# KiCad board MissionOrderFile.kicad_pcb
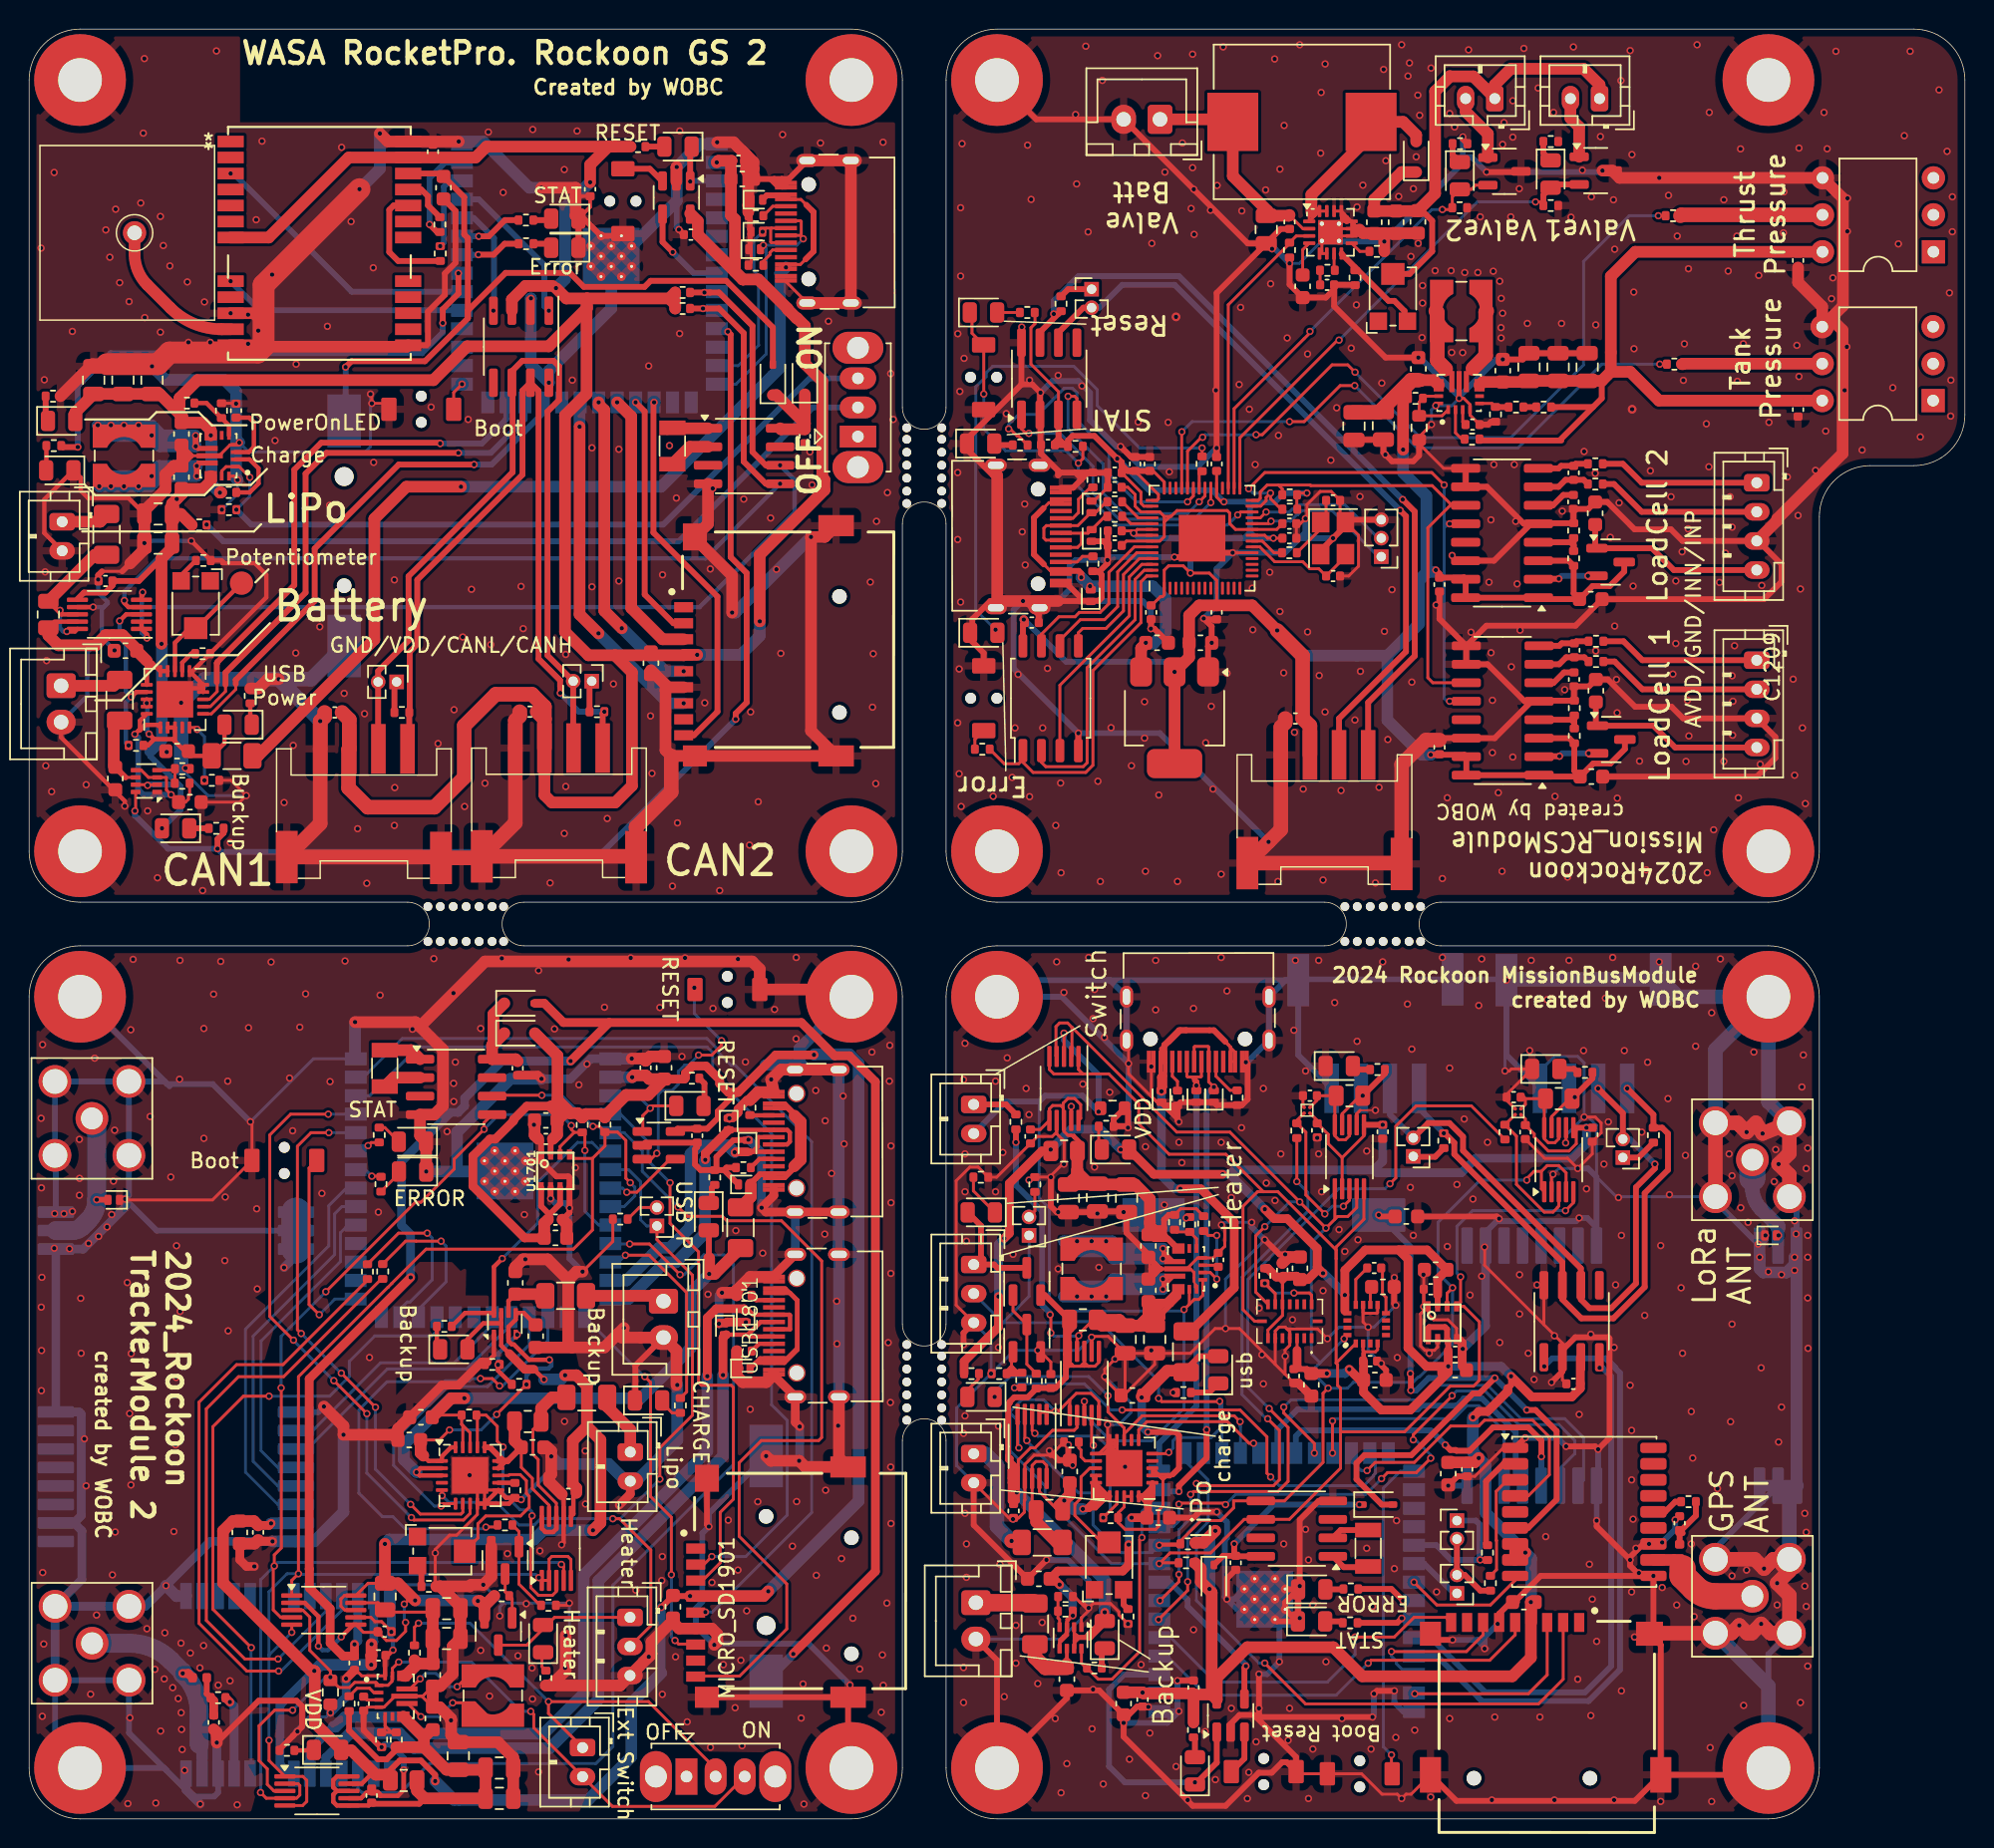
[diagram p0: board, top side]
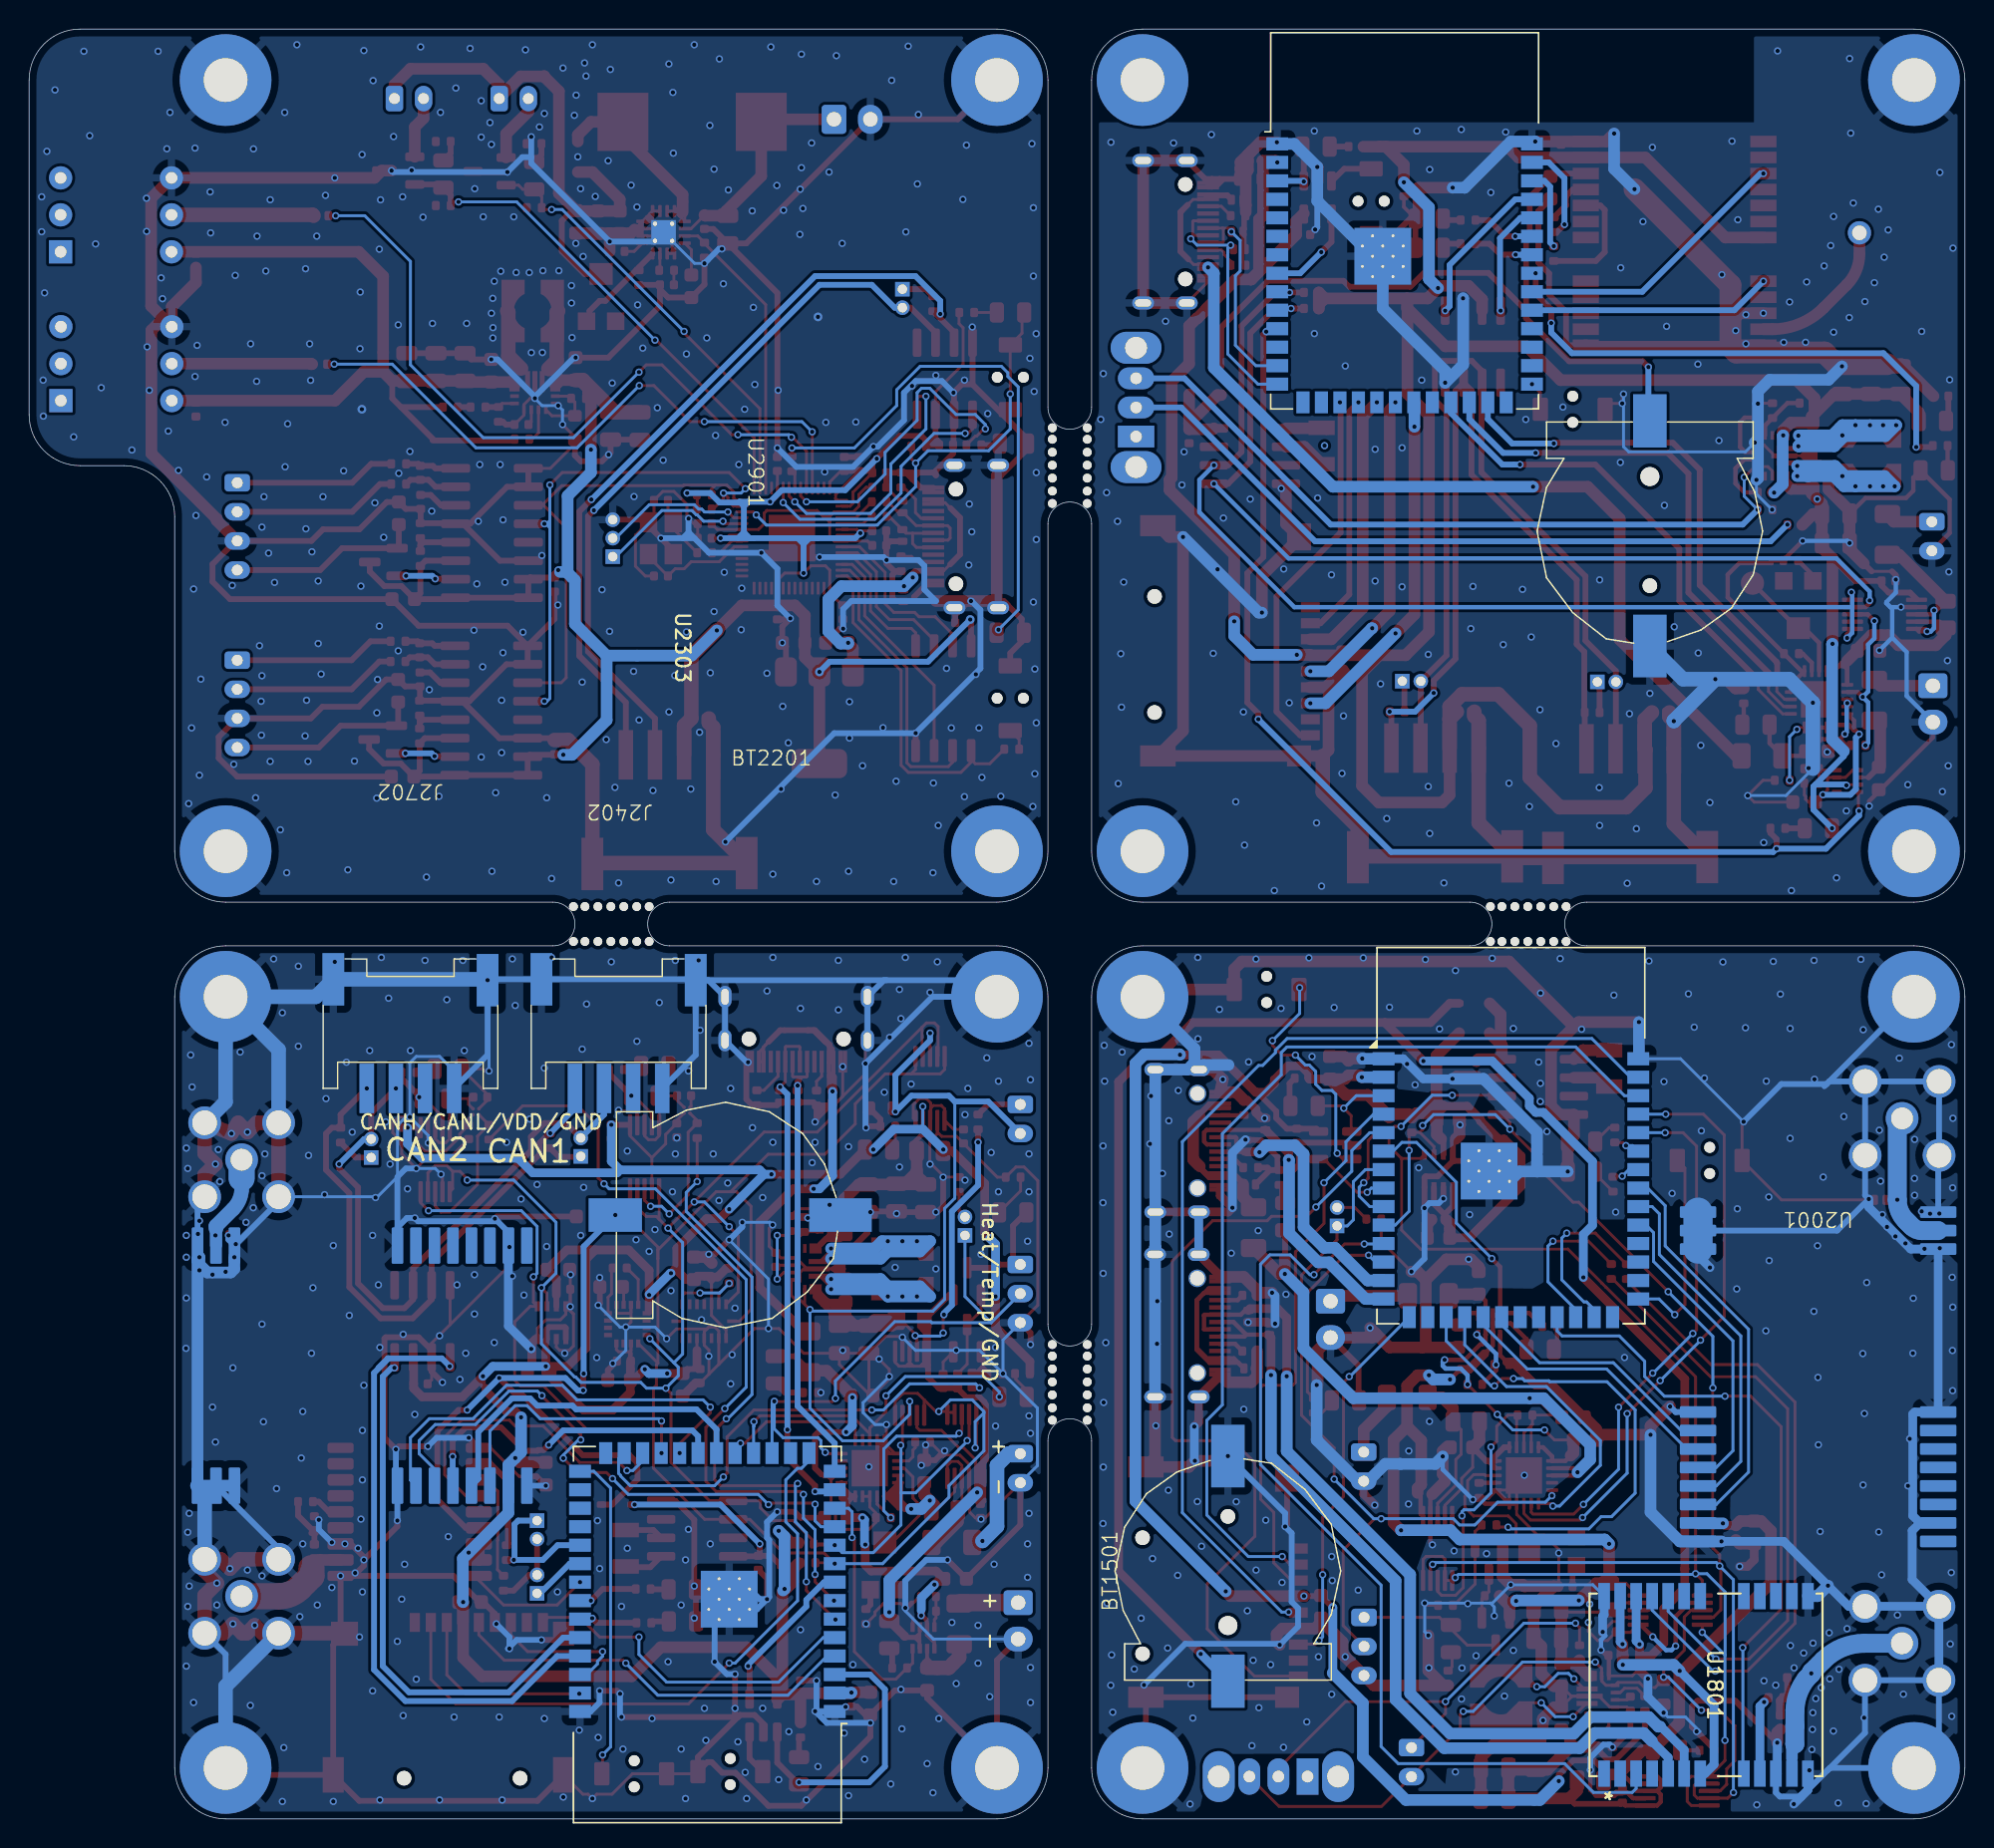
[diagram p1: board, bottom side, seen from below]

Outline 133 x 123 mm; copper layers: Top, Bottom. Coordinates in mm from the lower left corner of the outline.
Outline path: 26,63 arc(27.5,61.5) 26,60 ; 34,60 arc(32.5,61.5) 34,63 ; 60,89 arc(61.5,90.5) 63,89 ; 60,26 arc(61.5,27.5) 63,26 ; 63,97 arc(61.5,95.5) 60,97 ; 63,34 arc(61.5,32.5) 60,34 ; 89,63 arc(90.5,61.5) 89,60 ; 97,60 arc(95.5,61.5) 97,63
Stack: Top 0.035mm / dielectric 1.51mm FR4 er 4.5 / Bottom 0.035mm

## Placement (name value [footprint] x y rotation side)
AE301  Antenna  [GNSS_Antenna_1212]  6.74 109 270 top
BT101  Battery_Cell  [cr1220#2]  21.65 88.5 270 bottom
BT1501  Battery_Cell  [cr1220#2]  50.64 17.04 90 bottom
BT2201  Battery_Cell  [cr1220]  85.15 41.5 180 bottom
C101  10uF  [C_0603_1608Metric]  28.47 112.1 90 top
C201  100nF  [C_0402_1005Metric]  45.47 108.88 0 top
C202  100nF  [C_0402_1005Metric]  38.55 112 90 top
C203  10uF  [C_0603_1608Metric]  49 112.7 180 top
C204  100nF  [C_0402_1005Metric]  48.74 113.95 0 top
C301  100nF  [C_0402_1005Metric]  27.74 114.58 270 top
C401  100nF  [C_0402_1005Metric]  21 76.04 0 top
C501  100nF  [C_0402_1005Metric]  34.41 76.09 0 top
C601  10uF  [C_0603_1608Metric]  10.17 73.38 180 top
C602  10uF  [C_0603_1608Metric]  5.92 71.5 270 top
C603  10uF  [C_0603_1608Metric]  11.05 69.88 0 top
C604  10uF(0805)  [C_0805_2012Metric]  8.87 87.68 180 top
C605  10uF(0805)  [C_0805_2012Metric]  8.87 89.68 180 top
C606  10uF  [C_0603_1608Metric]  6.62 80.28 180 top
C607  10uF  [C_0603_1608Metric]  10.47 92.2 90 top
C608  100nF  [C_0402_1005Metric]  5.24 85.08 180 top
C609  100nF  [C_0402_1005Metric]  14.22 96.78 90 top
C610  10uF  [C_0603_1608Metric]  10.47 95.18 270 top
C611  10uF(0805)  [C_0805_2012Metric]  4.44 98.88 90 top
C612  10uF(0805)  [C_0805_2012Metric]  6.45 98.88 90 top
C613  10uF(0805)  [C_0805_2012Metric]  8.45 98.88 90 top
C701  10uF  [C_0603_1608Metric]  42.72 79.42 270 top
C702  100nF  [C_0402_1005Metric]  53.3 95.02 90 top
C801  10uF  [C_0603_1608Metric]  77.5 80.83 0 top
C802  10uF  [C_0603_1608Metric]  80.47 80.83 0 top
C901  100nF  [C_0402_1005Metric]  70 94.42 0 top
C902  100nF  [C_0402_1005Metric]  68.89 82.22 180 top
C903  22pF  [C_0402_1005Metric]  89.59 85.42 180 top
C904  22pF  [C_0402_1005Metric]  89.59 90.62 180 top
C905  100nF  [C_0402_1005Metric]  74.59 87.52 180 top
C906  100nF  [C_0402_1005Metric]  86.59 89.02 0 top
C907  1uF  [C_0402_1005Metric]  74.59 91.52 0 top
C908  100nF  [C_0402_1005Metric]  75.99 93.12 90 top
C909  1uF  [C_0402_1005Metric]  74.59 92.52 0 top
C910  100nF  [C_0402_1005Metric]  74.59 88.52 180 top
C911  100nF  [C_0402_1005Metric]  81.59 93.12 90 top
C912  100nF  [C_0402_1005Metric]  81.59 82.92 270 top
C913  100nF  [C_0402_1005Metric]  86.59 88.02 0 top
C914  100nF  [C_0402_1005Metric]  76.99 93.12 90 top
C915  100nF  [C_0402_1005Metric]  77.09 82.92 270 top
C1001  100nF  [C_0402_1005Metric]  87 75.62 0 top
C1101  47nF  [C_0603_1608Metric]  87.5 105.33 270 top
C1102  10uF(0805)  [C_0805_2012Metric]  85 109.22 270 top
C1103  100nF  [C_0402_1005Metric]  89.18 105.42 0 top
C1104  100nF  [C_0402_1005Metric]  86.6 109.75 270 top
C1105  4.7uF  [C_0603_1608Metric]  92.42 109.72 270 top
C1106  4.7uF  [C_0603_1608Metric]  93.92 109.72 270 top
C1107  4.7uF  [C_0603_1608Metric]  95.42 109.75 270 top
C1201  22uF  [C_0805_2012Metric]  91.03 95.72 270 top
C1202  22uF  [C_0805_2012Metric]  93.05 95.74 270 top
C1203  10uF  [C_0603_1608Metric]  95.45 99.65 90 top
C1204  100nF  [C_0402_1005Metric]  99.17 95.83 0 top
C1205  10uF  [C_0603_1608Metric]  101.25 99.53 90 top
C1206  22uF  [C_0805_2012Metric]  103.05 99.78 90 top
C1207  22uF  [C_0805_2012Metric]  105.05 99.78 90 top
C1208  22uF  [C_0805_2012Metric]  107.05 99.78 90 top
C1209  100nF  [C_0402_1005Metric]  121.54 107.09 270 top
C1210  100nF  [C_0402_1005Metric]  121.54 96.85 270 top
C1301  10uF  [C_0603_1608Metric]  107.65 77.53 90 top
C1302  100nF  [C_0402_1005Metric]  106.16 80.31 270 top
C1303  100nF  [C_0402_1005Metric]  106.15 78.31 270 top
C1304  10uF  [C_0603_1608Metric]  107.34 71.63 0 top
C1305  100nF  [C_0402_1005Metric]  96.9 73.64 90 top
C1401  10uF  [C_0603_1608Metric]  107.6 89.72 90 top
C1402  100nF  [C_0402_1005Metric]  106.12 92.5 270 top
C1403  100nF  [C_0402_1005Metric]  106.1 90.5 270 top
C1404  10uF  [C_0603_1608Metric]  107.29 83.83 0 top
C1405  100nF  [C_0402_1005Metric]  96.9 84.83 270 top
C1601  10uF  [C_0603_1608Metric]  26.92 27.6 180 top
C1602  10uF  [C_0603_1608Metric]  33.41 36.84 90 top
C1603  10uF  [C_0603_1608Metric]  34.81 33.17 270 top
C1604  100nF  [C_0402_1005Metric]  24.42 12.87 0 top
C1605  10uF  [C_0603_1608Metric]  26.12 26.04 180 top
C1606  10uF  [C_0603_1608Metric]  34.59 25.53 0 top
C1607  22uF  [C_0805_2012Metric]  28.69 14.45 0 top
C1608  22uF  [C_0805_2012Metric]  28.69 12.4 0 top
C1609  100nF  [C_0402_1005Metric]  37.06 22.34 180 top
C1610  10uF  [C_0603_1608Metric]  27.73 9.9 270 top
C1611  100nF  [C_0402_1005Metric]  22.98 7.92 270 top
C1612  10uF  [C_0603_1608Metric]  27.73 6.9 90 top
C1613  22uF  [C_0805_2012Metric]  29.48 4.32 90 top
C1614  22uF  [C_0805_2012Metric]  32.31 3.5 0 top
C1615  22uF  [C_0805_2012Metric]  32.31 1.41 0 top
C1616  100nF  [C_0402_1005Metric]  23.53 1.6 90 top
C1701  10uF  [C_0603_1608Metric]  35.5 48 180 top
C1702  100nF  [C_0402_1005Metric]  36.17 41.18 0 top
C1703  100nF  [C_0402_1005Metric]  35.5 46.73 180 top
C1704  10uF  [C_0603_1608Metric]  36.17 39.93 0 top
C1801  100nF  [C_0402_1005Metric]  12.69 6.63 270 top
C1802  100nF  [C_0402_1005Metric]  24.01 11.24 180 top
C1803  100nF  [C_0402_1005Metric]  22.35 10.71 90 top
C1901  10uF  [C_0603_1608Metric]  44.23 14.58 270 top
C1902  100nF  [C_0402_1005Metric]  33.56 51.59 90 top
C2001  10uF  [C_0603_1608Metric]  14.48 19.69 270 top
C2002  100nF  [C_0402_1005Metric]  15.73 19.69 270 top
C2101  100nF  [C_0402_1005Metric]  45.9 46.95 90 top
C2102  10uF  [C_0603_1608Metric]  43.62 51.62 270 top
C2103  100nF  [C_0402_1005Metric]  42.36 51.62 90 top
C2201  10uF  [C_0603_1608Metric]  94.62 41.4 180 top
C2301  100nF  [C_0402_1005Metric]  80 9.03 270 top
C2302  100nF  [C_0402_1005Metric]  106.1 29.9 0 top
C2303  10uF  [C_0603_1608Metric]  75.2 7.93 90 top
C2304  100nF  [C_0402_1005Metric]  76.5 8.2 270 top
C2401  100nF  [C_0402_1005Metric]  88.5 47.32 90 top
C2402  100nF  [C_0402_1005Metric]  88 49.7 0 top
C2403  100nF  [C_0402_1005Metric]  93 47.22 90 top
C2501  10uF  [C_0603_1608Metric]  102.7 14.9 180 top
C2502  100nF  [C_0402_1005Metric]  82.9 17.6 90 top
C2601  10nF  [C_0402_1005Metric]  113.4 20.32 90 top
C2701  100nF  [C_0402_1005Metric]  102.8 47.2 90 top
C2702  100nF  [C_0402_1005Metric]  102 49.6 0 top
C2703  100nF  [C_0402_1005Metric]  107.4 47.02 90 top
C2801  10uF  [C_0603_1608Metric]  75.8 29.1 180 top
C2802  10uF  [C_0603_1608Metric]  71.3 9.6 270 top
C2803  10uF  [C_0603_1608Metric]  69.38 16.5 180 top
C2804  100nF  [C_0402_1005Metric]  70.2 30.09 90 top
C2805  10uF  [C_0603_1608Metric]  77.58 20.7 0 top
C2806  10uF  [C_0603_1608Metric]  71.5 23.88 90 top
C2807  22uF  [C_0805_2012Metric]  77.33 32.95 270 top
C2808  22uF  [C_0805_2012Metric]  75.3 32.95 270 top
C2809  100nF  [C_0402_1005Metric]  67.64 21.16 270 top
C2810  10uF  [C_0603_1608Metric]  76.9 36.33 90 top
C2811  100nF  [C_0402_1005Metric]  81.7 38.42 90 top
C2812  10uF  [C_0603_1608Metric]  76.9 39.38 270 top
C2813  22uF  [C_0805_2012Metric]  75.4 42.65 270 top
C2814  22uF  [C_0805_2012Metric]  73.4 42.7 270 top
C2815  22uF  [C_0805_2012Metric]  71.4 42.65 270 top
C2816  100nF  [C_0402_1005Metric]  68.8 46.9 270 top
C2901  10uF  [C_0603_1608Metric]  97.5 23.72 270 top
C2902  100nF  [C_0402_1005Metric]  98.8 24.02 270 top
C3001  10uF  [C_0603_1608Metric]  97.98 30.84 0 top
C3002  100nF  [C_0402_1005Metric]  97.98 32.1 0 top
C3003  100nF  [C_0402_1005Metric]  96.3 36.4 180 top
C3004  10uF  [C_0603_1608Metric]  96.64 37.74 180 top
C3101  100nF  [C_0402_1005Metric]  86.9 30.44 270 top
C3102  100nF  [C_0402_1005Metric]  86.1 37.72 90 top
C3103  10uF  [C_0603_1608Metric]  88.1 29.83 270 top
C3104  10uF  [C_0603_1608Metric]  87.31 37.84 90 top
C3105  0.22uF  [C_0402_1005Metric]  92.42 37.86 0 top
C3106  4.7uF  [C_0603_1608Metric]  93.01 36.56 0 top
C3107  100nF  [C_0402_1005Metric]  92.14 31.46 0 top
C3108  10uF  [C_0603_1608Metric]  92.46 30.16 0 top
D201  5V  [D_SOD-882D]  50 111.28 0 top
D202  5V  [D_SOD-882D]  49.85 107.88 0 top
D203  5V  [D_SOD-882D]  50 109.08 0 top
D204  RESET  [LED_0805_2012Metric]  44.58 114.92 180 top
D205  ERROR  [LED_0805_2012Metric]  36.81 107.97 180 top
D206  STAT  [LED_0805_2012Metric]  36.81 109.97 180 top
D701  D  [D_SOD-323]  51.1 98.9 90 top
D702  D  [D_SOD-323]  53.3 98.95 90 top
D901  RESET  [LED_0805_2012Metric]  65.57 103.53 0 top
D902  5V  [D_SOD-882D]  72.94 84.06 90 top
D903  5V  [D_SOD-882D]  73 88.2 90 top
D904  5V  [D_SOD-882D]  72.99 90.16 270 top
D905  STAT  [LED_0805_2012Metric]  65.38 94.52 0 top
D906  ERROR  [LED_0805_2012Metric]  65.59 81.52 0 top
D1101  D  [D_SOD-323]  95.3 114.22 90 top
D1102  Valve  [D_0805_2012Metric]  98.3 112.92 270 top
D1103  Valve  [D_0805_2012Metric]  104.54 113.04 270 top
D1801  5V  [D_SOD-882D]  49.14 30.96 0 top
D1802  5V  [D_SOD-882D]  49.22 34.55 90 top
D1803  5V  [D_SOD-882D]  47.8 33.68 270 top
D1901  D  [D_SOD-323]  33.7 56.05 0 top
D1902  D  [D_SOD-323]  33.7 54 0 top
D2001  5V  [D_SOD-882D]  5.81 42.54 180 top
D2101  5V  [D_SOD-882D]  49.14 43.6 0 top
D2102  5V  [D_SOD-882D]  48.06 47.75 270 top
D2103  5V  [D_SOD-882D]  49.36 46.24 270 top
D2104  RESET  [LED_0805_2012Metric]  45.4 49 0 top
D2105  ERROR  [LED_0805_2012Metric]  26.34 44.49 180 top
D2106  STAT  [LED_0805_2012Metric]  26.34 46.54 180 top
D2301  5V  [D_SOD-882D]  77.8 49.65 90 top
D2302  5V  [D_SOD-882D]  80.2 49.65 90 top
D2303  5V  [D_SOD-882D]  81.4 49.65 90 top
D2304  RESET  [LED_0805_2012Metric]  80.1 3.3 90 top
D2305  ERROR  [LED_0805_2012Metric]  88.12 15.78 0 top
D2306  STAT  [LED_0805_2012Metric]  88.11 13.57 0 top
D2501  D  [D_SOD-323]  92.65 21.6 0 top
D2502  D  [D_SOD-323]  81.4 16.4 270 top
D2901  5V  [D_SOD-882D]  119.65 40.1 0 top
F601  Polyfuse  [Fuse_1206_3216Metric]  13.95 73.06 180 top
F602  Polyfuse  [Fuse_1206_3216Metric]  6.22 76.88 270 top
F603  Polyfuse  [Fuse_1206_3216Metric]  5.32 88.28 90 top
F1601  Polyfuse  [Fuse_1206_3216Metric]  48.88 40.63 270 top
F1602  Polyfuse  [Fuse_1206_3216Metric]  36.86 35.95 180 top
F1603  Polyfuse  [Fuse_1206_3216Metric]  38.31 28.97 0 top
F2801  Polyfuse  [Fuse_1206_3216Metric]  79.5 32.1 270 top
F2802  Polyfuse  [Fuse_1206_3216Metric]  69.1 13.4 270 top
F2803  Polyfuse  [Fuse_1206_3216Metric]  69.6 19 180 top
J401  Jumper  [PinHeader_1x02_P1.27mm_Vertical]  25.25 78.14 270 top
J402  Conn_01x04_MountingPin  [Grove_4P_L_SMD]  23 69.84 0 top
J501  Jumper  [PinHeader_1x02_P1.27mm_Vertical]  38.66 78.19 270 top
J502  Conn_01x04_MountingPin  [Grove_4P_L_SMD]  36.41 69.89 0 top
J601  Battery  [JST_XH_B2B-XH-A_1x02_P2.50mm_Vertical]  2.2 77.88 270 top
J602  LiPo  [JST_PH_B2B-PH-K_1x02_P2.00mm_Vertical]  2.27 89.15 270 top
J801  RCS_Batt  [JST_XH_B2B-XH-A_1x02_P2.50mm_Vertical]  77.7 116.8 180 top
J901  DEBUG  [PinHeader_1x03_P1.27mm_Vertical]  92.9 86.75 180 top
J1001  Jumper  [PinHeader_1x02_P1.27mm_Vertical]  73 105.12 0 top
J1002  Conn_01x04_MountingPin  [Grove_4P_L_SMD]  89 69.42 0 top
J1101  Valve_Conn  [JST_PH_B2B-PH-K_1x02_P2.00mm_Vertical]  100.7 118.22 180 top
J1102  Valve_Conn  [JST_PH_B2B-PH-K_1x02_P2.00mm_Vertical]  107.9 118.22 180 top
J1301  Conn_01x04  [JST_PH_B4B-PH-K_1x04_P2.00mm_Vertical]  118.7 79.63 270 top
J1401  Conn_01x04  [JST_PH_B4B-PH-K_1x04_P2.00mm_Vertical]  118.7 91.83 270 top
J1601  Battery  [JST_XH_B2B-XH-A_1x02_P2.50mm_Vertical]  43.58 35.58 270 top
J1602  Temp&Heater  [JST_PH_B3B-PH-K_1x03_P2.00mm_Vertical]  41.28 13.85 270 top
J1603  Ext Switch  [JST_PH_B2B-PH-K_1x02_P2.00mm_Vertical]  38.03 4.9 270 top
J1604  Jumper  [PinHeader_1x02_P1.27mm_Vertical]  43.14 40.75 180 top
J1605  LiPo  [JST_PH_B2B-PH-K_1x02_P2.00mm_Vertical]  41.31 25.21 270 top
J1801  SMA  [SMA_Amphenol_132203-12_Horizontal]  4.33 12.07 90 top
J2001  SMA  [SMA_Amphenol_132203-12_Horizontal]  4.31 48.14 90 top
J2401  Jumper  [PinHeader_1x02_P1.27mm_Vertical]  95.1 45.53 180 top
J2402  Conn_01x04_MountingPin  [Grove_4P_L_SMD]  92.5 53.9 0 bottom
J2601  Jumper  [PinHeader_1x02_P1.27mm_Vertical]  98.1 20.5 0 top
J2602  Jumper  [PinHeader_1x02_P1.27mm_Vertical]  98.1 15.5 180 top
J2603  SMA  [SMA_Amphenol_132203-12_Horizontal]  118.4 15.3 270 top
J2701  Jumper  [PinHeader_1x02_P1.27mm_Vertical]  109.5 45.45 180 top
J2702  Conn_01x04_MountingPin  [Grove_4P_L_SMD]  106.8 53.9 0 bottom
J2801  Battery  [JST_XH_B2B-XH-A_1x02_P2.50mm_Vertical]  65.05 14.86 270 top
J2802  Temp&Heater  [JST_PH_B3B-PH-K_1x03_P2.00mm_Vertical]  64.9 38.1 270 top
J2803  Ext Switch  [JST_PH_B2B-PH-K_1x02_P2.00mm_Vertical]  64.9 49.1 270 top
J2804  Jumper  [PinHeader_1x02_P1.27mm_Vertical]  68.7 40.1 180 top
J2805  LiPo  [JST_PH_B2B-PH-K_1x02_P2.00mm_Vertical]  64.9 25.1 270 top
J2901  SMA  [SMA_Amphenol_132203-12_Horizontal]  118.4 45.3 270 top
L601  1.5uH  [L_Wuerth_WE-TPC-3816]  6.52 93.68 180 top
L1101  10uH  [L_Chilisin_BMRF00101040]  87.45 116.62 0 top
L1201  1.5uH  [L_Wuerth_WE-TPC-3816]  98.4 103.62 90 top
L1601  1.5uH  [L_Wuerth_WE-TPC-3816]  31.86 8.47 0 top
L1801  27nH, 300mA  [L_0402_1005Metric]  11.72 9.7 0 top
L2601  27nH, 300mA  [L_0402_1005Metric]  113.4 18.38 270 top
L2801  1.5uH  [L_Wuerth_WE-TPC-3816]  73 37.8 180 top
LED601  USB Power  [LED_0805_2012Metric]  14.36 75.2 180 top
LED602  Backup  [LED_0805_2012Metric]  10.06 68.08 180 top
LED603  CHARGE  [LED_0805_2012Metric]  2.11 92.67 180 top
LED604  VDD  [LED_0805_2012Metric]  2.23 96.08 0 top
LED1601  USB Power  [LED_0805_2012Metric]  46.69 41.39 270 top
LED1602  CHARGE  [LED_0805_2012Metric]  42.56 28.76 0 top
LED1603  Backup  [LED_0805_2012Metric]  29.18 32.27 0 top
LED1604  Heater  [LED_0805_2012Metric]  35.31 12.39 90 top
LED1605  VDD  [LED_0805_2012Metric]  20.5 4.74 0 top
LED2401  Power  [LED_0805_2012Metric]  90.01 51.74 0 top
LED2701  Power  [LED_0805_2012Metric]  104.2 51.54 0 top
LED2801  USB Power  [LED_0805_2012Metric]  81.7 30.86 90 top
LED2802  CHARGE  [LED_0805_2012Metric]  65.4 29 180 top
LED2803  Backup  [LED_0805_2012Metric]  73.9 12.66 90 top
LED2804  Heater  [LED_0805_2012Metric]  65.42 41.68 180 top
LED2805  VDD  [LED_0805_2012Metric]  74.64 46 0 top
MICRO_SD701  -  [TF-01A]  52.14 81.04 90 top
MICRO_SD1901  -  [TF-01A]  52.97 16.35 90 top
MICRO_SD2501  -  [TF-01A]  104.27 6.33 0 top
NOREF  -  [unnamed]  27.4 62.7 0 top
NOREF#2  -  [unnamed]  27.4 60.3 0 top
NOREF#3  -  [unnamed]  62.7 30.03 90 top
NOREF#4  -  [unnamed]  29.14 60.3 0 top
NOREF#5  -  [unnamed]  60.3 30.92 90 top
NOREF#6  -  [unnamed]  30.03 62.7 0 top
NOREF#7  -  [unnamed]  62.7 29.14 90 top
NOREF#8  -  [unnamed]  62.7 93.92 90 top
NOREF#9  -  [unnamed]  93.92 62.7 0 top
NOREF#10  -  [unnamed]  62.7 94.81 90 top
NOREF#11  -  [unnamed]  60.3 93.92 90 top
NOREF#12  -  [unnamed]  60.3 92.14 90 top
NOREF#13  -  [unnamed]  62.7 31.81 90 top
NOREF#14  -  [unnamed]  62.7 95.6 90 top
NOREF#15  -  [unnamed]  62.7 92.14 90 top
NOREF#16  -  [unnamed]  29.14 62.7 0 top
NOREF#17  -  [unnamed]  30.92 60.3 0 top
NOREF#18  -  [unnamed]  62.7 30.92 90 top
NOREF#19  -  [unnamed]  90.4 62.7 0 top
NOREF#20  -  [unnamed]  32.6 62.7 0 top
NOREF#21  -  [unnamed]  60.3 32.6 90 top
NOREF#22  -  [unnamed]  60.3 93.03 90 top
NOREF#23  -  [unnamed]  60.3 28.25 90 top
NOREF#24  -  [unnamed]  60.3 95.6 90 top
NOREF#25  -  [unnamed]  31.81 62.7 0 top
NOREF#26  -  [unnamed]  93.92 60.3 0 top
NOREF#27  -  [unnamed]  62.7 91.25 90 top
NOREF#28  -  [unnamed]  60.3 94.81 90 top
NOREF#29  -  [unnamed]  90.4 60.3 0 top
NOREF#30  -  [unnamed]  60.3 31.81 90 top
NOREF#31  -  [unnamed]  93.03 60.3 0 top
NOREF#32  -  [unnamed]  62.7 32.6 90 top
NOREF#33  -  [unnamed]  62.7 93.03 90 top
NOREF#34  -  [unnamed]  92.14 62.7 0 top
NOREF#35  -  [unnamed]  60.3 30.03 90 top
NOREF#36  -  [unnamed]  91.25 60.3 0 top
NOREF#37  -  [unnamed]  62.7 27.4 90 top
NOREF#38  -  [unnamed]  95.6 60.3 0 top
NOREF#39  -  [unnamed]  30.03 60.3 0 top
NOREF#40  -  [unnamed]  92.14 60.3 0 top
NOREF#41  -  [unnamed]  62.7 28.25 90 top
NOREF#42  -  [unnamed#2]  14.59 84.92 0 top
NOREF#43  -  [unnamed]  94.81 62.7 0 top
NOREF#44  -  [unnamed]  60.3 27.4 90 top
NOREF#45  -  [unnamed]  93.03 62.7 0 top
NOREF#46  -  [unnamed]  28.25 62.7 0 top
NOREF#47  -  [unnamed]  94.81 60.3 0 top
NOREF#48  -  [unnamed]  91.25 62.7 0 top
NOREF#49  -  [unnamed]  28.25 60.3 0 top
NOREF#50  -  [unnamed]  95.6 62.7 0 top
NOREF#51  -  [unnamed]  30.92 62.7 0 top
NOREF#52  -  [unnamed]  32.6 60.3 0 top
NOREF#53  -  [unnamed]  60.3 29.14 90 top
NOREF#54  -  [unnamed]  62.7 90.4 90 top
NOREF#55  -  [unnamed]  60.3 90.4 90 top
NOREF#56  -  [unnamed]  31.81 60.3 0 top
NOREF#57  -  [unnamed]  60.3 91.25 90 top
Q1101  NMOS  [SOT-23-3]  101.36 113.22 0 top
Q1102  NMOS  [SOT-23-3]  107.64 113.28 0 top
Q1301  PNP  [SOT-23]  108.7 74.18 0 top
Q1401  PNP  [SOT-23]  108.66 86.38 0 top
Q1601  Q_NPN_BEC  [SOT-23]  32.7 17.77 270 top
Q1602  Q_PMOS_GSD  [SOT-23]  32.24 12.88 270 top
Q2801  Q_NPN_BEC  [SOT-23]  68.55 33.04 90 top
Q2802  Q_PMOS_GSD  [SOT-23]  68.55 36.94 90 top
R201  5.1k  [R_0402_1005Metric]  49.94 106.78 180 top
R202  5.1k  [R_0402_1005Metric]  49.94 110.17 180 top
R203  470  [R_0402_1005Metric]  41.83 114.92 0 top
R204  470  [R_0402_1005Metric]  34.14 108.25 0 top
R205  10k  [R_0402_1005Metric]  44.9 104.9 0 top
R206  470  [R_0402_1005Metric]  34.14 109.88 0 top
R207  10k  [R_0402_1005Metric]  44.9 103.8 0 top
R301  33  [R_0402_1005Metric]  28.22 109.56 90 top
R302  33  [R_0402_1005Metric]  28.24 107.58 270 top
R401  120  [R_0402_1005Metric]  25.61 76.04 0 top
R501  120  [R_0402_1005Metric]  39.02 76.09 0 top
R601  1k  [R_0402_1005Metric]  15.2 77.17 90 top
R602  1k  [R_0402_1005Metric]  11.97 86.48 0 top